# Altium PCB remote.PcbDoc
Units mm, origin at the board's own origin, x right, y up, seen from the top; angles counter-clockwise.
Board outline 96 x 78.67 mm, 2 copper layers (Top Layer, Bottom Layer); 82 components, 63 nets, 297 pads, 96 vias.
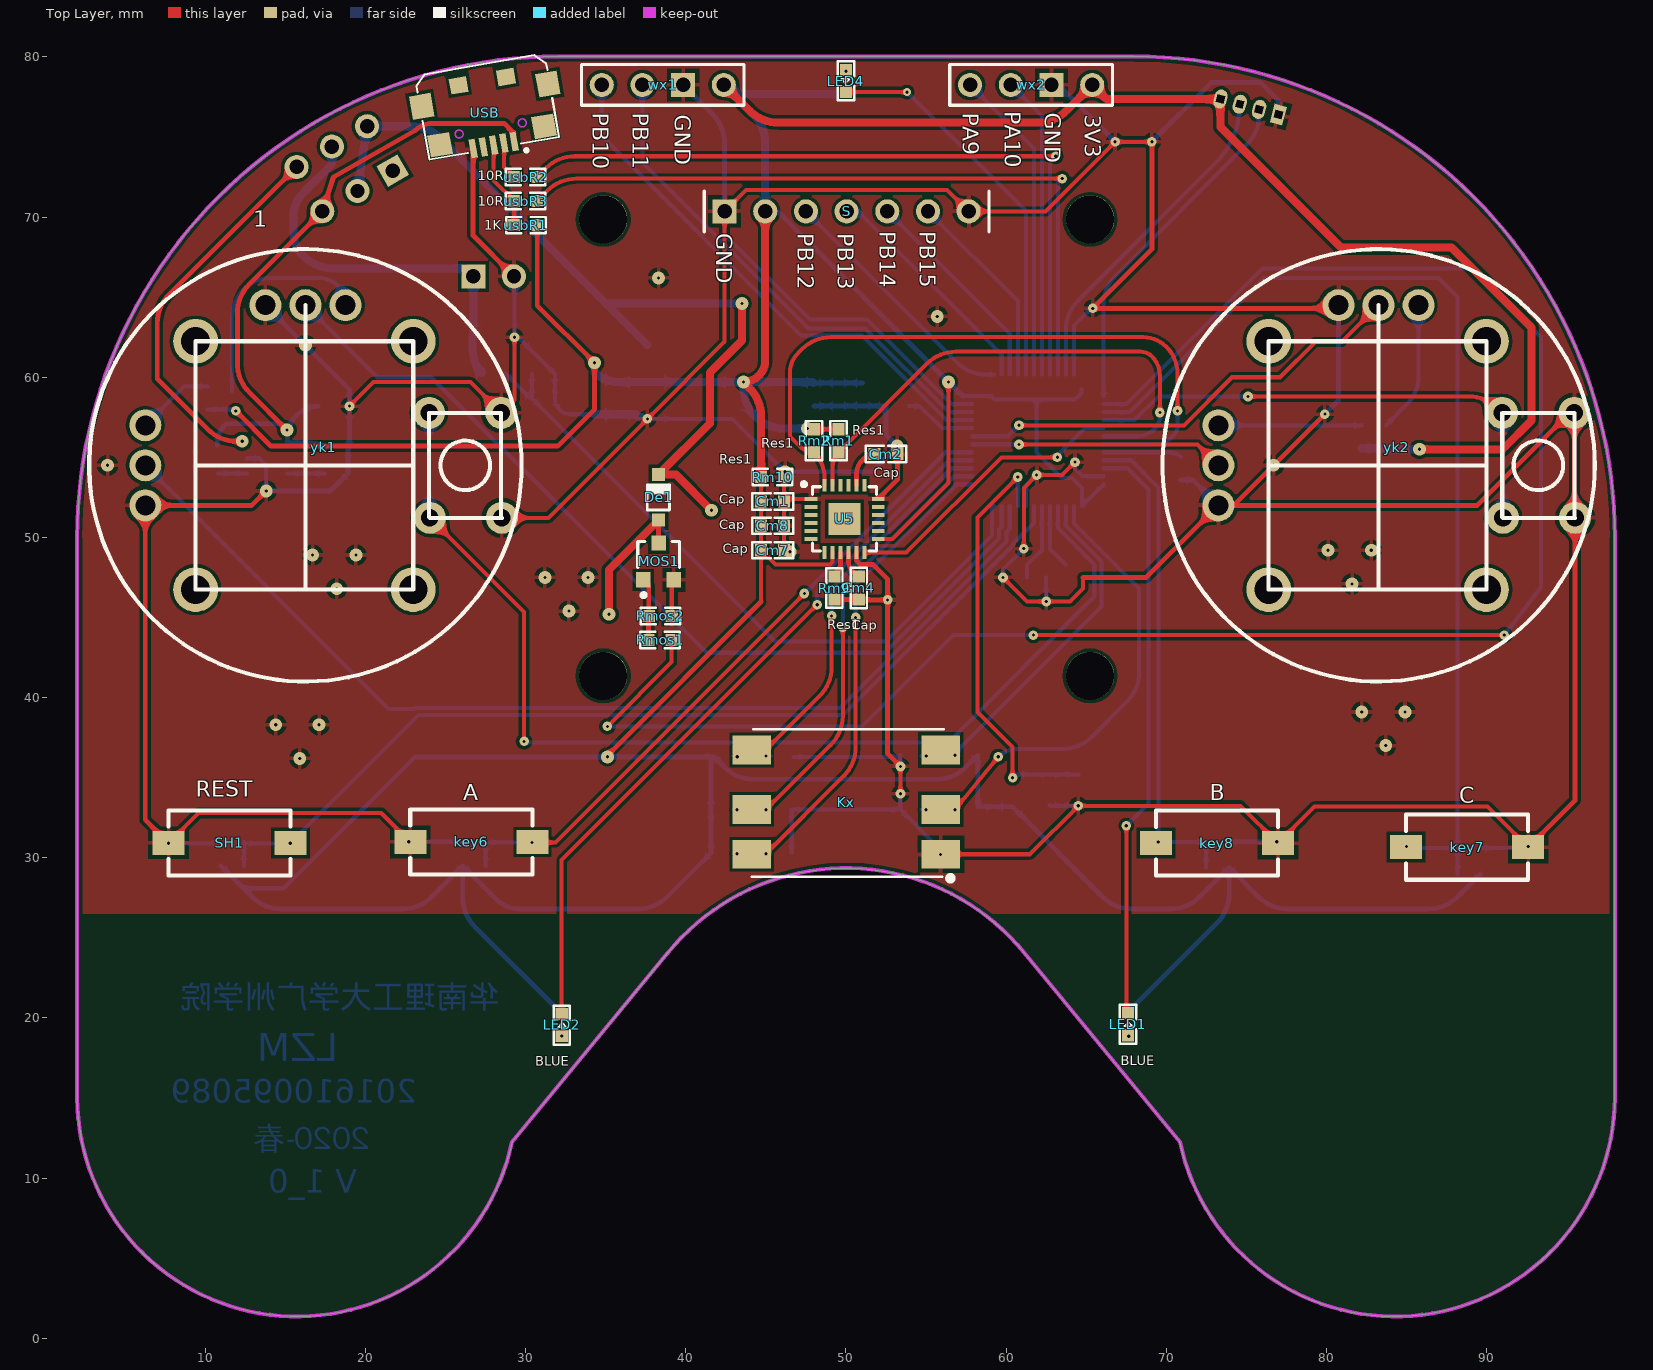
[diagram p0: Top Layer view]
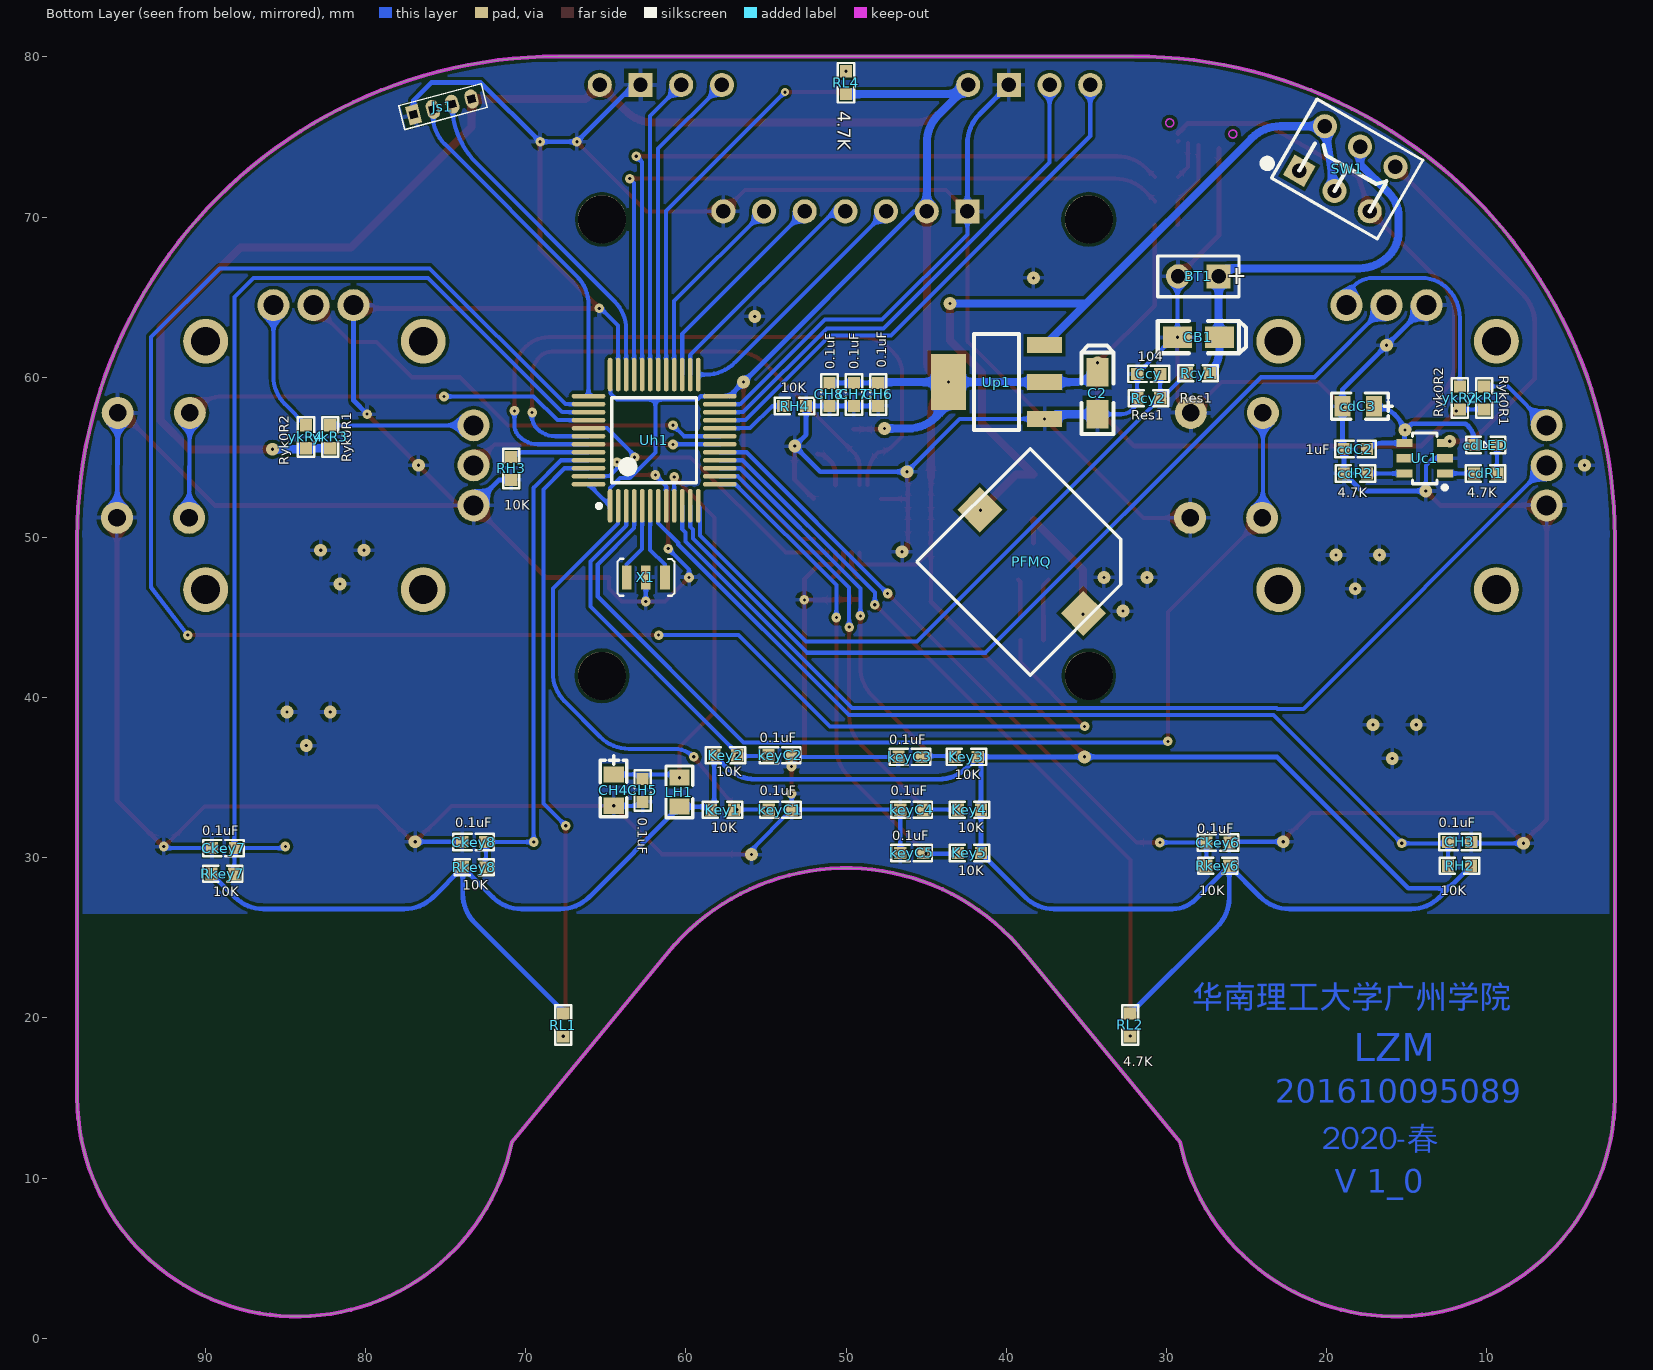
[diagram p1: Bottom Layer view, seen from below]

## Layer stack, top to bottom
Top Solder: solder mask 0.0102, Solder Resist, Dk 3.5
Top Layer: signal copper 0.0356
Dielectric 1: dielectric 0.32, FR-4, Dk 4.8
Bottom Layer: signal copper 0.0356
Bottom Solder: solder mask 0.0102, Solder Resist, Dk 3.5

## Board outline
2,15 ccw(c15.721,15.082) 29.148,12.255 38.878,24.07 cw(c50,15) 61.112,24.081 70.852,12.255 ccw(c84.279,15.082) 98,15 98,50 ccw(c67.968,50) 67.968,80.032 32.032,80.032 ccw(c32.032,50) 2,50

## Design rules (kind name [scope] priority, off if disabled: settings)
Clearance [All] p1: gap=0.2
PolygonConnect [All] p1: connectstyle=Relief reliefconductorwidth=0.254 reliefentries=4 polygonreliefangle="90 Angle" airgapwidth=0.254
RoutingVias [All] p1: holewidth=0.7 width=1.27 viastyle="Through Hole" minholewidth=0.5 minwidth=1 maxholewidth=1 maxwidth=5
SolderMaskExpansion [All] p1: expansion=0.102
Width Width_1 [InNet('GND')] p1: maxlimit=0.5 minlimit=0.254 preferedwidth=0.3
Width [All] p2: maxlimit=1 minlimit=0.2 preferedwidth=0.254
30 further rules are at their usual default settings.

## Components (designator, comment, footprint, x,y, rotation, side; value= is the part's Value field where it differs from the comment)
BT1 "VBAT" BAT-2 28,66.3 r0 bottom
C2 "Cap Pol2" C1206钽 34.3,59 r90 bottom
CB1 "10uF" C1206钽 28,62.5 r180 bottom
Ccy "104" C0603 31.096,60.21 r0 bottom
cdC2 "1uF" C0603 18.184,55.516 r0 bottom
cdC3 "10uF" "C0805 钽电容" 17.041,58.183 r0 bottom
cdLED "BLUE" L0603 10.056,55.77 r180 bottom
cdR1 "4.7K" R0603 10.056,53.992 r0 bottom
cdR2 "4.7K" R0603 18.184,53.992 r0 bottom
CH3 "0.1uF" C0603 11.68,30.983 r0 bottom
CH4 "10uF/10v" "C0805 钽电容" 64.5,35.2 r270 bottom
CH5 "0.1uF" C0603 62.7,34.2 r90 bottom
CH6 "0.1uF" C0603 47.984,58.922 r90 bottom
CH7 "0.1uF" C0603 49.508,58.922 r90 bottom
CH8 "0.1uF" C0603 51.032,58.922 r90 bottom
Ckey6 "0.1uF" C0603 26.771,30.95 r0 bottom
Ckey7 "0.1uF" C0603 88.872,30.603 r180 bottom
Ckey8 "0.1uF" C0603 73.251,30.984 r180 bottom
Cm1 "Cap" C0603 45.424,52.246 r180 top
Cm2 "Cap" C0603 52.5,55.2 r180 top
Cm4 "Cap" C0603 50.8,46.843 r90 top
Cm7 "Cap" C0603 45.424,49.198 r180 top
Cm8 "Cap" C0603 45.424,50.722 r180 top
De1 "BAT54WS" SOD-323 38.3,52.5 r270 top
Js1 "SWD" 1X4_1_25 77,76.4 r165 bottom
Key1 "10K" R0603 57.7,33 r0 bottom
Key2 "10K" R0603 57.5,36.4 r0 bottom
Key3 "10K" R0603 42.5,36.3 r180 bottom
Key4 "10K" R0603 42.3,33 r180 bottom
Key5 "10K" R0603 42.3,30.3 r180 bottom
key6 "SW_PB" KEY1 26.517,30.915 r0 top
key7 "SW_PB" KEY1 88.872,30.73 r180 top
key8 "SW_PB" KEY1 73.251,30.984 r180 top
keyC1 "0.1uF" C0603 54.1,33 r0 bottom
keyC2 "0.1uF" C0603 54.111,36.4 r0 bottom
keyC3 "0.1uF" C0603 46.011,36.3 r180 bottom
keyC4 "0.1uF" C0603 45.9,33 r180 bottom
keyC5 "0.1uF" C0603 45.9,30.3 r180 bottom
Kx "xiangdaoKey" daohangKey 50.419,33.02 r180 top
LED1 "BLUE" L0603 67.6,19.6 r90 top
LED2 "BLUE" L0603 32.248,19.552 r90 top
LED4 "BLUE" L0603 50,78.5 r270 top
LH1 "100uH" 0805 60.4,34.1 r90 bottom
MOS1 "SI2302" SO-G3/C2.5 38.3,48.5 r0 top
PFMQ "蜂鳴器" FMQ_tp 38.5,41.4 r135 bottom
Rcy1 "Res1" R0603 28,60.25 r0 bottom
Rcy2 "Res1" R0603 31.096,58.686 r0 bottom
RH2 "10K" R0603 11.7,29.5 r180 bottom
RH3 "10K" R0603 70.9,54.3 r90 bottom
RH4 "10K" R0603 53.2,58.2 r0 bottom
Rkey6 "10K" R0603 26.8,29.5 r180 bottom
Rkey7 "10K" R0603 88.9,29 r0 bottom
Rkey8 "10K" R0603 73.2,29.4 r0 bottom
RL1 "4.7K" 0603P 67.652,19.546 r90 bottom
RL2 "4.7K" R0603 32.252,19.552 r90 bottom
RL4 "4.7K" R0603 49.997,78.4 r270 bottom
Rm1 "Res1" R0603 49.528,56.025 r90 top
Rm2 "Res1" R0603 48.004,56.025 r90 top
Rm9 "Res1" R0603 49.276,46.843 r270 top
Rm10 "Res1" R0603 45.424,53.77 r180 top
Rmos1 "100R" 0603P 38.4,43.6 r180 top
Rmos2 "10K" 0603P 38.4,45.1 r0 top
S "OLED" HDR1X7_2.54 42.418,70.358 r0 top
SH1 "SW_PB" KEY1 11.426,30.856 r0 top
SW1 "单刀双掷" 拨动开关DIP 21.7,72.9 r210 bottom
U5 "MPU6050" QFN24 49.911,51.161 r0 top
Uc1 "TP4059" SOT23-6S 12.596,53.992 r0 bottom
Uh1 "STM32F103C8" LQFP48_M 62.001,56.068 r90 bottom
Up1 "AMS1117-3.3" LC-SOT-223 40.6,59.7 r0 bottom
USB "MICRO-USB" MICRO_USB5P_SOP 28,74.5 r10 top
usbR1 "1K" R0603 30,69.5 r0 top
usbR2 "10R" R0603 30,72.5 r180 top
usbR3 "10R" R0603 30,71 r180 top
wx1 "USART1" HDR1X4 34.75,78.25 r0 top
wx2 "USART2" HDR1X4 57.75,78.25 r0 top
X1 "8MHz" XTAL3215 62.5,47.5 r180 bottom
yk1 "油门摇杆" 摇杆A 16.25,54.5 r180 top
yk2 "油门摇杆" 摇杆A 83.25,54.5 r180 top
ykR1 "Ryk0R1" R0603 10.145,58.718 r270 bottom
ykR2 "Ryk0R2" R0603 11.672,58.718 r270 bottom
ykR3 "Ryk0R1" R0603 82.196,56.291 r270 bottom
ykR4 "Ryk0R2" R0603 83.717,56.291 r270 bottom

## Footprints (in the part's own frame and the unit in brackets; to place one, negate y for a bottom-side part, rotate by r counter-clockwise, add the part's x,y. Pads: shape width x height; smd on the part's side, far side on the other; paste and mask are expansions set on the pad)
1X4_1_25 [mm]
  rect 0.8x1.2 hole 0.48 square: 1(0,0)
  oval 0.8x1.2 hole 0.48 square: 2(1.25,0) 3(2.5,0) 4(3.75,0)
  silkscreen extent -0.76,-0.76 4.57,0.76
0603P [mil]
  rect 30x30 smd: 1(-28,0) 2(28.5,-0.06)
  silkscreen extent -48,-20 49,20
0805 [mm]
  rect 1x1.27 smd: 1(-0.914,0) 2(0.914,0)
  silkscreen extent -1.6,-0.84 1.63,0.84
BAT-2 [mm]
  rect 1.5x1.5 hole 0.9: 1(-1.27,0)
  round 1.5 hole 0.9: 2(1.27,0)
  silkscreen extent -2.54,-1.27 2.54,1.27
C0603 [mil]
  rect 30x30 smd: 1(-28,0) 2(28.5,-0.06)
  silkscreen extent -50,-20 50,20
"C0805 钽电容" [mil]
  rect 40x50 smd: 1(0,-0.06) 2(77,-0.06)
  silkscreen extent -46,-33 104,32
C1206钽 [mm]
  rect 1.8x1.35 smd: 1(1.31,0) 2(-1.31,0)
  silkscreen extent -2.54,-1 2.97,1, body extent -1.7,-0.84 1.7,0.84, height 1.71
daohangKey [mm] "导向按键"
  rect 2.4x1.8 smd: 1(-5.5,2.8) 2(-5.5,0) 3(-5.5,-3.7) 4(6.3,2.8) 5(6.3,0) 6(6.3,-3.7)
  silkscreen extent -6.3,-5 6.3,4.5
FMQ_tp [mm] "Connector; Header; 6 Position"
  rect 2x2 smd: 1(5.08,9.525) 2(5.08,0.381)
  silkscreen extent 0,0 10,10
HDR1X4 [mm] "Connector; Header; 4 Position"
  round 1.5 hole 0.9: 1(0,0) 2(2.54,0) 4(7.62,0)
  rect 1.5x1.5 hole 0.9: 3(5.08,0)
  silkscreen extent -1.27,-1.27 8.89,1.27
HDR1X7_2.54 [mm] "Connector; Header; 6 Position"
  rect 1.5x1.5 hole 0.9: 1(0,0)
  round 1.5 hole 0.9: 2(2.54,0) 3(5.08,0) 4(7.62,0) 5(10.16,0) 6(12.7,0) 7(15.24,0)
  silkscreen extent -1.27,-1.27 16.51,1.27
KEY1 [mm] "拨动开关"
  rect 2x1.5 smd: 1(-3.721,0.072) 2(3.899,0.072)
  silkscreen extent -3.72,-1.96 3.9,2.1
L0603 [mil] "LED"
  rect 30x30 smd: 1(-27,0) 2(27.5,-0.06)
  silkscreen extent -48,-20 48,20
LC-SOT-223 [mm]
  rect 2.2x1 smd: 1(-3,2.3) 2(-3,0) 3(-3,-2.3)
  rect 2.2x3.5 smd: 4(3,0)
  silkscreen extent -1.4,-3 1.4,3, body extent -3.49,-3.24 3.49,3.24, height 1.64
LQFP48_M [mm]
  oval 2.1x0.3 smd: 1(-4.1,2.725) 2(-4.1,2.225) 3(-4.1,1.725) 4(-4.1,1.225) 5(-4.1,0.725) 6(-4.1,0.225) 7(-4.1,-0.275) 8(-4.1,-0.775) 9(-4.1,-1.275) 10(-4.1,-1.775) 12(-4.1,-2.775) 25(4.1,-2.775) 28(4.1,-1.275) 29(4.1,-0.775) 30(4.1,-0.275) 31(4.1,0.225) 32(4.1,0.725) 33(4.1,1.225) 34(4.1,1.725) 35(4.1,2.225) 36(4.1,2.725)
  oval 2.1x0.29 smd: 11(-4.1,-2.275) 26(4.1,-2.275) 27(4.1,-1.775)
  oval 0.3x2.1 smd: 13(-2.75,-4.125) 15(-1.75,-4.125) 16(-1.25,-4.125) 17(-0.75,-4.125) 18(-0.25,-4.125) 20(0.75,-4.125) 21(1.25,-4.125) 22(1.75,-4.125) 23(2.25,-4.125) 24(2.75,-4.125) 37(2.75,4.075) 38(2.25,4.075) 39(1.75,4.075) 40(1.25,4.075) 41(0.75,4.075) 43(-0.25,4.075) 44(-0.75,4.075) 45(-1.25,4.075) 46(-1.75,4.075) 47(-2.25,4.075) 48(-2.75,4.075)
  oval 0.29x2.1 smd: 14(-2.25,-4.125) 19(0.25,-4.125) 42(0.25,4.075)
  silkscreen extent -4.22,-2.68 2.65,3.55
MICRO_USB5P_SOP [mm]
  rect 1.35x1.5 smd: 0(-4,3.16) 0(4,3.16)
  rect 1.4x1.4 smd: 0(-3.3,0.6) 0(3.3,0.6)
  rect 1.1x1 smd: 0(-1.5,4.046) 0(1.5,4.046)
  rect 0.4x1.2 smd: 1(1.3,0) 2(0.65,0) 3(0,0) 4(-0.65,0) 5(-1.3,0)
  Keep-Out Layer circle w0.1: c-2,1.05 r0.25
  Keep-Out Layer circle w0.1: c2,1.05 r0.25
  silkscreen extent -4.11,-0.79 4.11,5.08
QFN24 [mm] "QFN, 24-Leads, Body 4.0x4.0mm (max), Pitch 0.50mm, IPC Medium Density"
  rect 2x2 smd: 0(0,0)
  rect 0.8x0.25 smd: 1(-2.101,1.25) 2(-2.101,0.75) 3(-2.101,0.25) 4(-2.101,-0.25) 5(-2.101,-0.75) 6(-2.101,-1.25) 13(2.101,-1.25) 14(2.101,-0.75) 15(2.101,-0.25) 16(2.101,0.25) 17(2.101,0.75) 18(2.101,1.25)
  rect 0.25x0.8 smd: 7(-1.25,-2.101) 8(-0.75,-2.101) 9(-0.25,-2.101) 10(0.25,-2.101) 11(0.75,-2.101) 12(1.25,-2.101) 19(1.25,2.101) 20(0.75,2.101) 21(0.25,2.101) 22(-0.25,2.101) 23(-0.75,2.101) 24(-1.25,2.101)
  silkscreen extent -2.66,-2 2,2.28
R0603 [mil]
  rect 30x30 smd: 1(-28,0) 2(28.5,-0.06)
  silkscreen extent -48,-20 49,20
SO-G3/C2.5 [mm]
  rect 0.9x0.95 smd: 1(-0.95,-1.148) 2(0.95,-1.148) 3(0,1.148)
  silkscreen extent -1.3,-2.23 1.3,1.25
SOD-323 [mm]
  rect 0.8x0.8 smd: 1(1.422,0) 2(-1.422,0)
  silkscreen extent -0.79,-0.74 0.79,0.69
SOT23-6S [mm]
  rect 1x0.508 smd: 1(0,0) 2(0,-0.953) 3(0,-1.9) 4(2.54,-1.9) 5(2.54,-0.953) 6(2.54,0)
  silkscreen extent 0,-2.52 2.03,0.89
XTAL3215 [mm]
  rect 0.6x1.524 smd: 1(-1.2,0) 2(0,0) 3(1.2,0)
  silkscreen extent -1.78,-1.14 1.78,1.17
拨动开关DIP [mm]
  rect 1.5x1.5 hole 0.9: 1(0,0)
  round 1.5 hole 0.9: 2(2.54,0) 3(5.08,0) 4(5.08,3.2) 5(2.54,3.2) 6(0,3.2)
  silkscreen extent -2.14,-1.27 6.35,4.42
摇杆A [mm]
  round 2.8 hole 1.8: 0(-6.731,7.753) 0(-6.731,-7.747) 0(6.858,7.753) 0(6.858,-7.747)
  round 2 hole 1.25: 1(10,2.5) 2(10,0) 3(10,-2.5) 4(2.5,-10) 5(0,-10) 6(-2.5,-10)
  round 2 hole 1.1: J1(-12.268,3.277) J1(-12.222,-3.274) J2(-7.768,3.277) J2(-7.722,-3.274)
  silkscreen extent -13.5,-13.5 13.5,13.5

## Part data
BT1: library part Battery, "Multicell Battery"
C2: "Polarized Capacitor (Axial)"
CB1 cdC3 CH4: library part CAP
Ccy cdC2 CH3 CH5 CH6 CH7 CH8 Ckey6 Ckey7 Ckey8 keyC1 keyC2 keyC3 keyC4 keyC5: library part C
cdLED LED1 LED2 LED4: library part LED
cdR1 cdR2 Key1 Key2 Key3 Key4 Key5 RH2 RH3 RH4 Rkey6 Rkey7 Rkey8 RL1 RL2 RL4 Rmos1 Rmos2 usbR1 usbR2 usbR3 ykR1 ykR2 ykR3 ykR4: library part R
Cm1 Cm2 Cm4 Cm7 Cm8: "Capacitor"
De1: library part BAT54, "单肖特基二极管"
Js1: library part "Header, 1*4-Pin"
key6 key7 key8 SH1: library part KEY_DT
Kx: library part XD_Key
LH1: library part LS1
MOS1: library part MOS-N, "AP2306"
PFMQ: library part "Header 2", "Header, 2-Pin"
Rcy1 Rcy2 Rm1 Rm2 Rm9 Rm10: "Resistor"
S: library part "Header 1X7_2_54", "7pin2_54mm"
SW1: library part 单刀双掷开关, "单刀双掷开关"
U5: library part MPU9250, "9轴运动处理传感器"
Up1: library part 1117-3.3, "SOT-223"
USB: library part USB5
wx1 wx2: library part "Header 4", "Header, 4-Pin"
X1: library part XTAL-3215
yk1 yk2: library part 摇杆, "摇杆"

## Free pads (board coordinates)
  round 3 hole 3 unplated: 1(34.839,69.858) 2(65.239,69.858) 3(34.839,41.358) 4(65.239,41.358)

## Via types
v1: diameter 0.6, hole 0.2, Top Layer to Bottom Layer, 53 vias
v2: diameter 0.8, hole 0.2, Top Layer to Bottom Layer, 39 vias
v3: diameter 0.5, hole 0.2, Top Layer to Bottom Layer, 4 vias

## Nets (pads, with @x,y where several pads share a name; then routed paths per layer and width w, separated by ;. In a path a pad name is that pad's centre, name@x,y a point inside that pad or via, vN(x,y) a via of type N, cw(c..) or ccw(c..) an arc to the next point about the centre after c; other vN are vias at no path point)
3V3: C2.1 CH6.2 CH7.2 CH8.2 Cm1.2 Cm7.2 Cm8.2 Js1.4 Key1.2 Key2.2 Key3.2 Key4.2 Key5.2 LH1.1 RH2.2 Rkey6.2 Rkey7.2 Rkey8.2 RL1.2 RL2.2 RL4.2 Rm1.2 Rm2.2 Rm10.2 S.2 U5.8 U5.13 Uh1.1 Uh1.24 Uh1.36 Uh1.48 Up1.2 Up1.4 usbR1.2 wx1.4 wx2.4 ykR1.2 ykR2.2 ykR3.2 ykR4.2 | length 402.4
  Top Layer w0.254: 44.7,46 Cm7.2 ; Rm10.2 Cm1.2 Cm8.2 Cm7.2 ; U5.8 49.161,48.461 49,48.3 45.6,48.3 Cm7.2 ; U5.13 52.911,49.911 56.4,53.4 v2(56.4,59.7)
  Top Layer w0.3: v1(11.9,57.9) 14.1,55.7 32,55.7 34.3,58 v2(34.3,60.9) 30.724,64.476 usbR1.2 ; v2@35.05,36.35 44.7,46 ; Rm2.2 Rm1.2
  Top Layer w0.5: wx1.4 43.976,76.644 ccw(c45.772,78.44) 45.772,75.9 61.968,75.9 ccw(c61.968,78.44) 63.764,76.644 wx2.4 66.249,77.371 Js1.4 73.378,75.622 80.9,68.1 87.8,68.1 92.8,63.1 92.8,57.3 91,55.5 v2(85.8,55.5) ; Rm10.2 44.7,57.548 ccw(c42.16,57.548) 43.956,59.344 v2(43.6,59.7) ccw(c43.6,61.058) 44.958,61.058 S.2
  Bottom Layer w0.254: ykR1.2 ykR2.2 ; Uh1.24@57.282,58.818 Uh1.24 59.067,58.818 59.285,58.6 61.9,58.6 ; Key1.2@58.224,33.202 Key1.2@58.24,33.186 ; Uh1.36@64.726,59.244 64.7,59.218 64.7,59 64.3,58.6 61.9,58.6 ; Uh1.48 Uh1.1 64.726,53.074 64.1,53.7 63.5,53.7 61.9,55.3 61.9,58.6
  Bottom Layer w0.3: RH2.2 12.374,28.1 ; RL2.2 26.82,25.705 cw(c28.616,27.501) 26.076,27.501 Rkey6.2 ; S.2 45.742,70.358 v2(56.4,59.7) Uh1.24@57.282,58.818 ; CH6.2 CH7.2 CH8.2 ; Key1.2@58.224,33.202 Key2.2 57.466,35.644 cw(c55.67,37.44) 55.67,34.9 44.227,34.9 cw(c44.227,37.44) 42.431,35.644 Key3.2 ; Key1.2@58.24,33.186 LH1.1 66.042,27.544 ccw(c67.838,29.34) 67.838,26.8 70.27,26.8 ccw(c70.27,29.34) 72.066,27.544 Rkey8.2 ; RL1.2@67.64,20.404 73.18,25.944 ccw(c71.384,27.74) 73.924,27.74 Rkey8.2 ; Rkey7.2 88.166,27.544 cw(c86.37,29.34) 86.37,26.8 77.578,26.8 cw(c77.578,29.34) 75.782,27.544 Rkey8.2 ; 12.374,28.1 14.9,28.1 23.098,36.298 Key3.2 ; 12.374,28.1 12.931,27.544 ccw(c14.727,29.34) 14.727,26.8 22.326,26.8 ccw(c22.326,29.34) 24.122,27.544 Rkey6.2 ; Rkey6.2 28.191,27.384 ccw(c29.6,28.793) 29.6,26.8 37.026,26.8 ccw(c37.026,29.34) 38.822,27.544 Key5.2 Key4.2 41.576,35.816 cw(c42.259,35.816) Key3.2
  Bottom Layer w0.5: C2.1 ccw(c35.773,61.783) 35.773,59.7 Up1.2 v2(43.6,59.7) ; wx1.4 ccw(c43.756,79.636) wx1.4 ; S.2 44.958,74.61 ccw(c42.418,74.61) 44.214,76.406 wx1.4 ; v2(47.6,56.8) 46.14,56.8 cw(c46.14,59.34) 43.6,59.34 v2(43.6,59.7) ; CH6.2 ccw(c47.852,59.515) 47.852,59.7 v2(43.6,59.7) ; RL4.2 43.756,77.676 cw(c43.756,79.636) wx1.4 ; ykR3.2 ykR4.2 ; ykR4.2@83.785,55.5 v2(85.8,55.5)
  other v2: 35.1,36.3
3V3A: CH4.1 CH5.2 LH1.2 Uh1.9 | length 26.7
  Top Layer w0.254: v1(60.4,35) 60.4,36.9 58.2,39.1 58.2,51.249 v1(60.726,53.774)
  Bottom Layer w0.254: LH1.2 60.586,35.2 CH4.1 ; Uh1.9 v1(60.726,53.774)
5V: cdC2.1 cdC3.1 cdLED.1 SW1.3 Uc1.4 USB.1 | length 43.4
  Top Layer w0.254: USB.1@29.25,74.75 29.256,74.75 USB.1
  Top Layer w0.3: v2(15.1,56.7) 12.744,59.056 cw(c14.54,60.852) 12,60.852 12,64.007 cw(c14.54,64.007) 12.744,65.803 SW1.3 18,72.5 23.1,75.4 cw(c24.185,74.315) 24.185,75.849 28.651,75.849 USB.1@29.28,75.22
  Bottom Layer w0.3: cdLED.1 10.742,55.894 cw(c12.306,55.894) 11.2,57 cw(c11.441,56.759) 11.441,57.1 14.559,57.1 cw(c14.559,56.759) 14.8,57 cw(c13.989,56.189) 15.136,56.189 ; cdC3.1 ccw(c17.041,56.28) 15.136,56.28 15.136,56.189 ; cdC2.1 ccw(c16.565,54.608) 16.565,55.892 Uc1.4 15.136,56.189
BAT: BT1.1 CB1.1 Rcy1.1 SW1.5 | length 25.1
  Bottom Layer w0.3: 16.1,67.6 16.156,67.544 ; BT1.1@26.23,66.8 BT1.1
  Bottom Layer w0.5: 16.1,67.6 cw(c17.549,69.049) 15.5,69.049 15.5,70.051 cw(c17.549,70.051) 16.1,71.5 17.9,73.3 SW1.5 ; 16.156,67.544 ccw(c17.952,69.34) 17.952,66.8 BT1.1@26.23,66.8 ; CB1.1 26.69,61.696 ccw(c28.734,61.696) Rcy1.1 ; CB1.1@26.73,62.54 BT1.1
BAT_CHG: SW1.4 Uc1.3 | length 23.5
  Top Layer w0.3: v2(12.3,56) 11.952,56 cw(c11.952,58.54) 10.156,56.744 7,59.9 7,63.379 cw(c9.54,63.379) 7.744,65.175 SW1.4
BOOT0: RH3.2 Uh1.44 | length 4.9
  Bottom Layer w0.254: Uh1.44 70.188,55.318 cw(c70.188,54.314) RH3.2
BOOT1: RH4.2 Uh1.20 | length 4.5
  Bottom Layer w0.254: RH4.2 54.598,58.202 55.982,56.818 Uh1.20
GND: BT1.2 C2.2 CB1.2 Ccy.2 cdC2.2 cdC3.2 cdR2.2 CH3.1 CH4.2 CH5.1 CH6.1 CH7.1 CH8.1 Ckey6.1 Ckey7.1 Ckey8.1 Cm1.1 Cm2.1 Cm4.1 Cm7.1 Cm8.1 Js1.1 key6.1 key7.1 key8.1 keyC1.1 keyC2.1 keyC3.1 keyC4.1 keyC5.1 Kx.1 MOS1.2 Rcy2.2 RH3.1 RH4.1 Rm9.2 Rm10.1 Rmos2.2 S.1 S.7 SH1.1 U5.1 U5.11 U5.18 Uc1.2 Uh1.8 Uh1.23 Uh1.35 Uh1.47 Up1.1 USB.5 wx1.3 wx2.3 X1.2 yk1.1 yk1.4 yk1.J1 yk2.1 yk2.4 yk2.J1 | length 490
  Top Layer w0.254: SH1.1 9.577,32.8 20.983,32.8 key6.1 ; v1(19,58.2) 20.5,59.7 26.546,59.7 28.472,57.774 29.3,58.603 v1(29.3,62.5) ; yk1.J1@28.518,51.223 31.423,51.223 v1(37.6,57.4) 42.418,62.218 S.1 43.76,71.7 56.316,71.7 S.7 62.458,70.358 v1(66.8,74.7) v1(69.1,74.7) ; Cm7.1 Cm8.1 Cm1.1 ; Rm10.1 Cm1.1 ; U5.1 46.3,52.411 Cm1.1 ; v1(53.4,34) v1(53.4,35.7) ; Kx.1 61.477,30.22 v1(64.502,33.244) 74.64,33.244 key8.1 79.26,33.2 90.051,33.2 key7.1 ; v1(59.8,47.5) 61.3,46 v1(62.5,46) 64,46 64.8,46.8 64.8,47.5 ; v1(61.1,49.3) 61.1,53.1 v1(61.9,53.9) 63.5,53.9 v1(64.3,54.7)
  Top Layer w0.3: SH1.1 6.25,32.383 yk1.1 12.9,52 v2(13.8,52.9) ; USB.5 26.72,68.85 BT1.2 ; Rmos2.2 39.124,47.226 MOS1.2 ; Rm9.2 50.769,46.119 ccw(c50.769,46.162) Cm4.1 ; U5.11 50.661,48.539 50.9,48.3 51.7,48.3 52.6,47.4 v1(52.6,46.1) ; Cm4.1@50.788,46.1 v1(52.6,46.1) ; U5.18 53.211,53.61 Cm2.1 v2@53.211,55.689 ; v1(53.4,35.7) 52.6,36.5 v1(52.6,46.1) ; 64.8,47.5 68.75,47.5 yk2.1 yk2.1@74.2,52 ; v1(69.1,74.7) 69.1,68 v1(65.4,64.3) 80.55,64.3 yk2.4 ; v1(79.9,57.7) yk2.1@74.2,52 ; key7.1 95.518,33.583 yk2.J1@95.518,51.223 ; yk2.J1@95.472,51.27 95.472,57.774 95.174,57.774 89.4,52 yk2.1@74.2,52
  Bottom Layer w0.254: v2(7.7,30.9) CH3.1@10.886,30.9 ; Uc1.2 13.355,54.945 13.8,54.5 v2(13.8,52.9) ; v2(22.7,31) 26.01,31 Ckey6.1 ; BT1.2 29.31,66.26 CB1.2 29.532,62.5 Ccy.2 Rcy2.2 ccw(c32.818,58.688) 32.818,57.69 C2.2 ; Up1.1@36.64,57.544 cw(c36.64,56.966) Up1.1@37.049,57.375 ; Up1.1@36.9,57.69 cw(c36.9,56.7) v1(37.6,57.4) 42.9,57.4 v2(46.2,54.1) ; S.1 42.418,68.924 47.742,63.6 51.3,63.6 56.582,58.318 Uh1.23 ; keyC5.1 keyC4.1 keyC1.1 ; keyC3.1 keyC2.1@53.3,36.3 ; v1(53.4,34) 53.389,33.989 keyC1.1 ; v1(53.4,35.7) 53.4,36.2 keyC2.1@53.3,36.3 ; keyC2.1 keyC2.1@53.3,36.3 ; v2(55.9,30.2) 55.9,30.489 keyC1.1 ; v1(59.8,47.5) 59.8,48 v1(61.1,49.3) ; Uh1.8 61.226,53.226 v1(61.9,53.9) ; v1(62.5,46) X1.2 ; CH5.1@62.7,33.289 62.745,33.244 v1(64.502,33.244) ; Uh1.35 64.226,63.226 65.3,64.3 v1(65.4,64.3) ; v1(64.3,54.7) 64.3,54.3 64.759,53.841 65.159,53.841 65.182,53.818 Uh1.47 ; Ckey8.1@73.978,31 v2(76.9,31) ; Ckey7.1 92.366,30.603 ccw(c92.366,30.934) v1(92.6,30.7)
  Bottom Layer w0.3: yk1.4 18.997,59.253 cdC3.2 18.997,55.732 cw(c18.693,55.732) cdC2.2 cdR2.2 17.814,52.9 v2(13.8,52.9) ; wx1.3 41.674,76.406 cw(c39.878,74.61) 42.418,74.61 S.1 ; v2(46.2,54.1) 51.6,54.1 v2(53.2,55.7) 52.489,56.411 RH4.1 ccw(c52.463,58.174) 52.463,58.211 CH8.1 CH7.1 CH6.1 ; wx2.3 63.25,78.25 v1(66.8,74.7) v1(69.1,74.7) 72.8,78.4 75.9,78.4 77,77.3 Js1.1 ; RH3.1 71.661,53.589 yk2.1 ; v1(79.9,57.7) 80.75,58.55 yk2.4 ; yk2.J1@95.472,57.774 yk2.J1@95.518,51.223
  Bottom Layer w0.5: C2.2 Up1.1@36.9,57.69
  other v2: 15.9,36.2 83.7,37 14.4,38.3 17.1,38.3 82.2,39.1 84.9,39.1 32.7,45.4 18.2,46.8 81.6,47.1 31.2,47.5 33.9,47.5 16.7,48.9 19.4,48.9 46.5,49.1 80.1,49.2 82.8,49.2 3.9,54.5 76.7,54.5 16.25,62 55.7,63.8 38.3,66.2
INT: U5.12 Uh1.41 | length 18.2
  Top Layer w0.254: U5.12 53.76,49.06 59.7,55 v1(63.2,55)
  Bottom Layer w0.254: v1(63.2,55) 63.2,55.1 64.918,56.818 Uh1.41
KEY1: Key1.1 keyC1.2 Kx.2 Uh1.2 | length 29.8
  Top Layer w0.254: v1(56.8,33) v1(59.5,36.3)
  Bottom Layer w0.254: keyC1.2@54.711,33 v1(56.8,33) ; v1(59.5,36.3) cw(c60.707,35.093) 60.707,36.8 63.548,36.8 ccw(c63.548,39.34) 65.344,37.544 67.556,39.756 ccw(c65.76,41.552) 68.3,41.552 68.3,46.8 64.226,50.874 Uh1.2
  other v1: 55,33
KEY2: Key2.1 keyC2.2 Kx.3 Uh1.3 | length 22.2
  Bottom Layer w0.254: keyC2.2@54.722,36.35 Key2.1@57.036,36.35 ; Key2.1@57.024,36.75 65.954,45.68 65.954,48.488 63.726,50.716 Uh1.3
  other v1: 55.011,36.35 56.811,36.4
KEY3: Key3.1 keyC3.2 Kx.6 Uh1.15 | length 25.9
  Top Layer w0.254: Kx.6@45,36.75 48.356,40.106 ccw(c46.56,41.902) 49.1,41.902 v1(49.1,45.1)
  Bottom Layer w0.254: Key3.1@42.985,36.352 42.987,36.35 keyC3.2@45.3,36.35 ; v1(49.1,45.1) 49.1,46.816 56.602,54.318 Uh1.15
  other v1: 43.211,36.3 45.011,36.35
KEY4: Key4.1 keyC4.2 Kx.5 Uh1.14 | length 29
  Top Layer w0.254: v1(45,33) 49.056,37.056 ccw(c47.26,38.852) 49.8,38.852 v1(49.8,44.4)
  Bottom Layer w0.254: Key4.1@42.974,33.002 42.976,33 keyC4.2@45.289,33 ; v1(49.8,44.4) 49.8,46.874 56.744,53.818 Uh1.14
  other v1: 43.2,33
KEY5: Key5.1 keyC5.2 Kx.4 Uh1.13 | length 31.2
  Top Layer w0.254: v1(45,30.25) 49.856,35.106 ccw(c48.06,36.902) 50.6,36.902 v1(50.6,45)
  Bottom Layer w0.254: Key5.1@42.974,30.252 42.976,30.25 v1(43.2,30.25) keyC5.2@45.289,30.25 ; v1(50.6,45) 50.6,47.032 56.886,53.318 Uh1.13
NetcdLED_2: cdLED.2 cdR1.1 | length 1.8
  Bottom Layer w0.254: cdR1.1@9.358,54.005 cdLED.2
NetcdR1_2: cdR1.2 Uc1.1 | length 1.8
  Bottom Layer w0.254: cdR1.2 12.594,53.994 Uc1.1
NetcdR2_1: cdR2.1 Uc1.6 | length 2.3
  Bottom Layer w0.254: Uc1.6 cdR2.1
NetCm2_2: Cm2.2 U5.20 | length 2.5
  Top Layer w0.3: U5.20 50.661,53.982 cw(c51.818,53.982) 51,54.8 51.137,54.937 ; 51.137,54.937 cw(c51.776,54.298) Cm2.2
NetCm4_2: Cm4.2 U5.10 | length 1.8
  Top Layer w0.3: U5.10 50.161,48.477 ccw(c50.977,48.477) 50.4,47.9 50.685,47.615 ccw(c50.802,47.732) Cm4.2
NetDe1_1: De1.1 MOS1.3 PFMQ.2 | length 8.6
  Top Layer w0.3: MOS1.3 De1.1
  Top Layer w0.5: v2(35.2,45.2) 35.2,47.978 De1.1
NetLED1_1: LED1.1 RL1.1
  other v3: 67.649,18.86
NetLED2_1: LED2.1 RL2.1
  other v3: 32.248,18.866
NetLED4_1: LED4.1 RL4.1
  other v3: 49.997,79.111
NetMOS1_1: MOS1.1 Rmos1.2 Rmos2.1 | length 3.9
  Top Layer w0.3: MOS1.1 37.689,47.013 Rmos2.1 37.676,45.087 Rmos1.2
NetRm9_1: Rm9.1 U5.9 | length 1.6
  Top Layer w0.3: Rm9.1 ccw(c48.347,48.484) 49.661,48.484 U5.9
NetUh1_5: Uh1.5 X1.1 | length 4.1
  Bottom Layer w0.254: Uh1.5 62.726,49.274 63.7,48.3
NetUh1_6: Uh1.6 X1.3 | length 4.9
  Bottom Layer w0.254: X1.3 61.3,48.3 62.226,49.226 Uh1.6
NetUSB_2: USB.2 usbR2.2 | length 2.4
  Top Layer w0.254: USB.2 28.64,73.138 usbR2.2
NetUSB_3: USB.3 usbR1.1 usbR3.2 | length 5.5
  Top Layer w0.254: USB.3 28,72.289 usbR3.2@29.289,71 ; usbR3.2 29.289,70.989 usbR1.1
Netyk1_3: yk1.3 ykR1.1 | length 4.9
  Bottom Layer w0.254: yk1.3 8.679,59.429 ykR1.1
Netyk1_6: yk1.6 ykR2.1 | length 14.1
  Bottom Layer w0.254: ykR2.1@11.672,59.129 11.672,63.72 cw(c14.212,63.72) 12.416,65.516 cw(c14.067,63.864) 14.067,66.2 17.093,66.2 cw(c17.093,64.493) 18.3,65.7 cw(c17.214,64.614) 18.75,64.614 yk1.6
Netyk2_3: yk2.3 ykR3.1 | length 8.9
  Bottom Layer w0.254: yk2.3 82.194,57 ykR3.1
Netyk2_6: yk2.6 ykR4.1 | length 8.2
  Bottom Layer w0.254: ykR4.1 85.006,58.291 ccw(c83.21,60.088) 85.75,60.088 yk2.6
NRST: CH3.2 RH2.1 SH1.2 Uh1.7 | length 60.3
  Bottom Layer w0.254: RH2.1 12.404,29.507 CH3.2 12.489,30.9 v1(15.3,30.9) 23.3,38.9 49.826,38.9 60.473,49.547 60.473,49.641 61.726,50.893 Uh1.7
PA0: Uh1.10 yk1.2 | length 66.7
  Bottom Layer w0.254: yk1.2 21.45,39.3 23.058,39.3 23.112,39.354 49.638,39.354 60.019,49.735 60.019,50.319 60.226,50.526 Uh1.10
PA1: Uh1.11 yk1.5 | length 57.4
  Bottom Layer w0.254: yk1.5 20.75,60 24.1,60 41.3,42.8 52.442,42.8 59.565,49.923 59.565,50.507 59.726,50.668 Uh1.11
PA2: Ccy.1 Rcy1.2 Rcy2.1 Uh1.12 | length 43.5
  Bottom Layer w0.254: Rcy1.2 30.222,58.753 ccw(c30.385,58.916) Rcy2.1 ; Ccy.1 Rcy2.1 ; Uh1.12 59.111,51.853 59.111,50.111 52.5,43.5 45.571,43.5 Rcy2.1
PA6: LED2.2 Uh1.16 | length 46
  Top Layer w0.254: LED2.2 32.25,29.85 v1(48.2,45.8)
  Bottom Layer w0.254: v1(48.2,45.8) 48.2,46.558 56.46,54.818 Uh1.16
PA7: Ckey6.2 key6.2 Rkey6.1 Uh1.17 | length 41.9
  Top Layer w0.254: v1(30.4,30.952) 31.852,30.952 v1(47.4,46.5)
  Bottom Layer w0.254: Rkey6.1 27.495,29.516 Ckey6.2 v1(30.4,30.952) ; v1(47.4,46.5) 56.218,55.318 Uh1.17
PA8: LED4.2 Uh1.29 | length 24.5
  Top Layer w0.254: LED4.2 50,77.8 v3(53.8,77.8)
  Bottom Layer w0.254: v3(53.8,77.8) 61.226,70.374 Uh1.29
PA9: Uh1.30 wx2.1 | length 19.7
  Bottom Layer w0.254: wx2.1 61.726,74.274 Uh1.30
PA10: Uh1.31 wx2.2 | length 18.9
  Bottom Layer w0.254: wx2.2 62.226,76.314 Uh1.31
PA11: Uh1.32 usbR2.1 | length 46.6
  Top Layer w0.254: usbR2.1 31.267,73.056 cw(c33.063,71.26) 33.063,73.8 v1(63.1,73.8)
  Bottom Layer w0.254: Uh1.32 62.726,73.426 v1(63.1,73.8)
PA12: Uh1.33 usbR3.1 | length 45.6
  Top Layer w0.254: usbR3.1@30.711,70.989 usbR3.1 31.367,71.656 cw(c33.163,69.86) 33.163,72.4 v1(63.5,72.4)
  Bottom Layer w0.254: Uh1.33 63.226,72.126 v1(63.5,72.4)
PA13: Js1.3 Uh1.34 | length 21
  Bottom Layer w0.254: Uh1.34 63.726,62.973 cw(c66.266,62.973) 64.47,64.77 73.064,73.364 ccw(c69.391,77.037) Js1.3@74.585,77.037
PA14: Js1.2 Uh1.37 | length 22.2
  Bottom Layer w0.254: Uh1.37 66.076,64.524 cw(c68.616,64.524) 66.82,66.32 75.049,74.549 ccw(c73.253,76.345) Js1.2@75.793,76.345
  Bottom Layer w0.3: Js1.2@75.8,76.8 75.793,76.793 Js1.2 Js1.2@75.793,76.707 ; Js1.2@75.793,76.707 75.793,76.345 75.8,76.352 75.8,76.7 Js1.2@75.793,76.707
PA15: Rmos1.1 Uh1.38 | length 117.4
  Top Layer w0.254: v1(35.1,38.2) 39.111,42.211 Rmos1.1 ; v1(61.7,43.9) v1(91.1,43.9)
  Bottom Layer w0.254: v1(35.1,38.2) 51,38.2 56.7,43.9 v1(61.7,43.9) ; Uh1.38 67.518,58.318 76,66.8 89.1,66.8 93.4,62.5 93.4,46.9 v1(91.1,43.9)
PB0: Uh1.18 yk2.2 | length 15.9
  Top Layer w0.254: v1(60.8,55.8) 71.95,55.8 yk2.2
  Bottom Layer w0.254: Uh1.18 60.782,55.818 v1(60.8,55.8)
PB1: Uh1.19 yk2.5 | length 28.8
  Top Layer w0.254: v1(60.8,57) 71.1,57 74.1,60 77.1,60 79.3,62.2 80.95,62.2 yk2.5
  Bottom Layer w0.254: Uh1.19 60.118,56.318 v1(60.8,57)
PB3: Ckey7.2 key7.2 Rkey7.1 Uh1.39 | length 65.2
  Bottom Layer w0.254: Uh1.39 67.718,57.818 76.1,66.2 87,66.2 88.189,65.011 Ckey7.2@88.189,30.642 ; v1(85,30.7) ccw(c85.238,30.938) 85.238,30.601 Ckey7.2 cw(c88.05,30.503) 88.189,30.503 Rkey7.1
PB4: Uh1.40 yk2.J2 | length 32.4
  Top Layer w0.254: v1(75.1,58.8) 88.894,58.8 cw(c88.894,56.26) 90.69,58.056 yk2.J2@90.972,57.774
  Bottom Layer w0.254: Uh1.40 68.018,57.318 69.5,58.8 v1(75.1,58.8) ; yk2.J2@90.972,57.774 yk2.J2@91.018,51.223
PB6: Rm1.1 U5.23 Uh1.42 | length 32.4
  Top Layer w0.254: U5.23 49.161,54.427 cw(c50.415,54.427) Rm1.1 55.071,60.856 cw(c56.867,59.06) 56.867,61.6 68.376,61.6 cw(c68.376,60.576) 69.1,61.3 cw(c67.893,60.093) 69.6,60.093 v1(69.6,57.8)
  Bottom Layer w0.254: Uh1.42 68.136,56.318 ccw(c68.136,57.964) 69.3,56.8 ccw(c68.576,57.524) 69.6,57.524 v1(69.6,57.8)
PB7: Rm2.1 U5.24 Uh1.43 | length 43.2
  Top Layer w0.254: U5.24 48.661,53.729 ccw(c46.419,53.729) Rm2.1 cw(c48.004,56.565) 47.12,55.68 46.5,56.3 46.5,60.293 cw(c48.207,60.293) 47,61.5 47.256,61.756 cw(c49.052,59.96) 49.052,62.5 68.551,62.5 cw(c68.551,60.451) 70,61.9 cw(c68.31,60.21) 70.7,60.21 v1(70.7,57.9)
  Bottom Layer w0.254: Uh1.43 69.236,55.818 ccw(c69.236,57.464) 70.4,56.3 ccw(c69.676,57.024) 70.7,57.024 v1(70.7,57.9)
PB8: Ckey8.2 key8.2 Rkey8.1 Uh1.45 | length 31
  Bottom Layer w0.254: Uh1.45 67.782,54.818 69.5,53.1 v1(69.499,30.982) ; v1@69.382,30.982 v1(69.499,30.982) ; Rkey8.1 72.489,30.89 cw(c72.62,30.89) Ckey8.2 v1(69.499,30.982)
PB9: LED1.2 Uh1.46 | length 36.7
  Top Layer w0.254: v1(67.5,32) 67.5,20.4 LED1.2
  Bottom Layer w0.254: Uh1.46 67.582,54.318 68.9,53 68.9,33.4 v1(67.5,32)
PB10: Uh1.21 wx1.1 | length 33.7
  Bottom Layer w0.254: wx1.1 34.75,75.05 47.2,62.6 51,62.6 56.282,57.318 Uh1.21
PB11: Uh1.22 wx1.2 | length 31.9
  Bottom Layer w0.254: wx1.2 37.29,73.41 47.646,63.054 51.188,63.054 56.424,57.818 Uh1.22
PB12: S.3 Uh1.25 | length 15.8
  Bottom Layer w0.254: S.3 56.944,60.912 ccw(c58.74,62.708) 58.74,60.168 Uh1.25
PB13: S.4 Uh1.26 | length 14.6
  Bottom Layer w0.254: S.4 50.742,70.358 59.726,61.374 Uh1.26
PB14: S.5 Uh1.27 | length 13.4
  Bottom Layer w0.254: S.5 60.226,62.71 Uh1.27
PB15: S.6 Uh1.28 | length 12.5
  Bottom Layer w0.254: S.6 60.726,64.75 Uh1.28
PC15: Uh1.4 yk1.J2 | length 68.9
  Top Layer w0.254: yk1.J2@24.018,51.223 29.9,45.342 v1(29.9,37.263)
  Bottom Layer w0.254: yk1.J2@23.972,51.27 yk1.J2@23.972,57.774 ; v1(29.9,37.263) 29.9,37.2 56.4,37.2 65.5,46.3 65.5,48.3 63.226,50.574 Uh1.4
VCC: De1.2 PFMQ.1 SW1.2 SW1.6 Up1.3 | length 52.7
  Top Layer w0.5: v2(41.6,51.7) 39.378,53.922 De1.2 41.5,57.122 41.5,60.3 43.5,62.3 v2(43.5,64.6)
  Bottom Layer w0.5: SW1.2 SW1.6 22.877,75.671 cw(c22.877,73.131) 24.673,74.927 35,64.6 ; Up1.3 35,64.6 ; v2(43.5,64.6) 35,64.6
pads on no net: SW1.1 U5.0 U5.2 U5.3 U5.4 U5.5 U5.6 U5.7 U5.14 U5.15 U5.16 U5.17 U5.19 U5.21 U5.22 Uc1.5 USB.0 USB.4 yk1.0 yk2.0

## Polygon pours and split planes (outlines as drawn)
GND on Top Layer "Top Layer-No Net" (solid, remove dead copper, pour order 5): 2,26.5 98,26.5 98,75.9 93.4,80.5 4.2,80.5 2,78.3
GND on Bottom Layer "Top Layer-No Net" (solid, remove dead copper, pour order 7): 2,26.5 98,26.5 98,75.9 93.4,80.5 4.2,80.5 4.2,80.4 2,78.2

## Keep-outs
Keep-Out Layer:
  the board outline again, w0.254

## Other copper
Bottom Layer:
  text "华南理工大学广州学院" at 28.4,20.1 h2.5
  text "LZM" at 18.3,16.7 h3
  text "201610095089" at 23.2,14.2 h2.5
  text "2020-春" at 20.3,11.3 h2.5
  text "V 1_0" at 19.5,8.6 h2.5

## Silkscreen, mask and mechanical layers (free items; w line width, h text height)
Top Overlay:
  text "PA10" at 59.9,76.6 h1 r270
  text "PB10" at 34.2,76.5 h1 r270
  text "PB11" at 36.7,76.5 h1 r270
  text "PA9" at 57.3,76.5 h1 r270
  text "GND" at 62.4,76.5 h1 r270
  text "GND" at 39.3,76.4 h1 r270
  text "3V3" at 64.9,76.4 h1 r270
  text "1" at 13,69.4 h1
  text "PB14" at 52.1,69.1 h1 r270
  text "PB15" at 54.6,69.1 h1 r270
  text "GND" at 41.9,69 h1 r270
  text "PB12" at 47,69 h1 r270
  text "PB13" at 49.5,69 h1 r270
  text "REST" at 9.4,33.8 h1
  text "A" at 26.1,33.6 h1
  text "B" at 72.7,33.6 h1
  text "C" at 88.3,33.4 h1

## Text inside footprints (layer, text, board x,y; h text height)
BT1: Bottom Overlay "+" at 24.952,66.808 h1.15 r180